# KiCad board accelerator.kicad_pcb (continued)
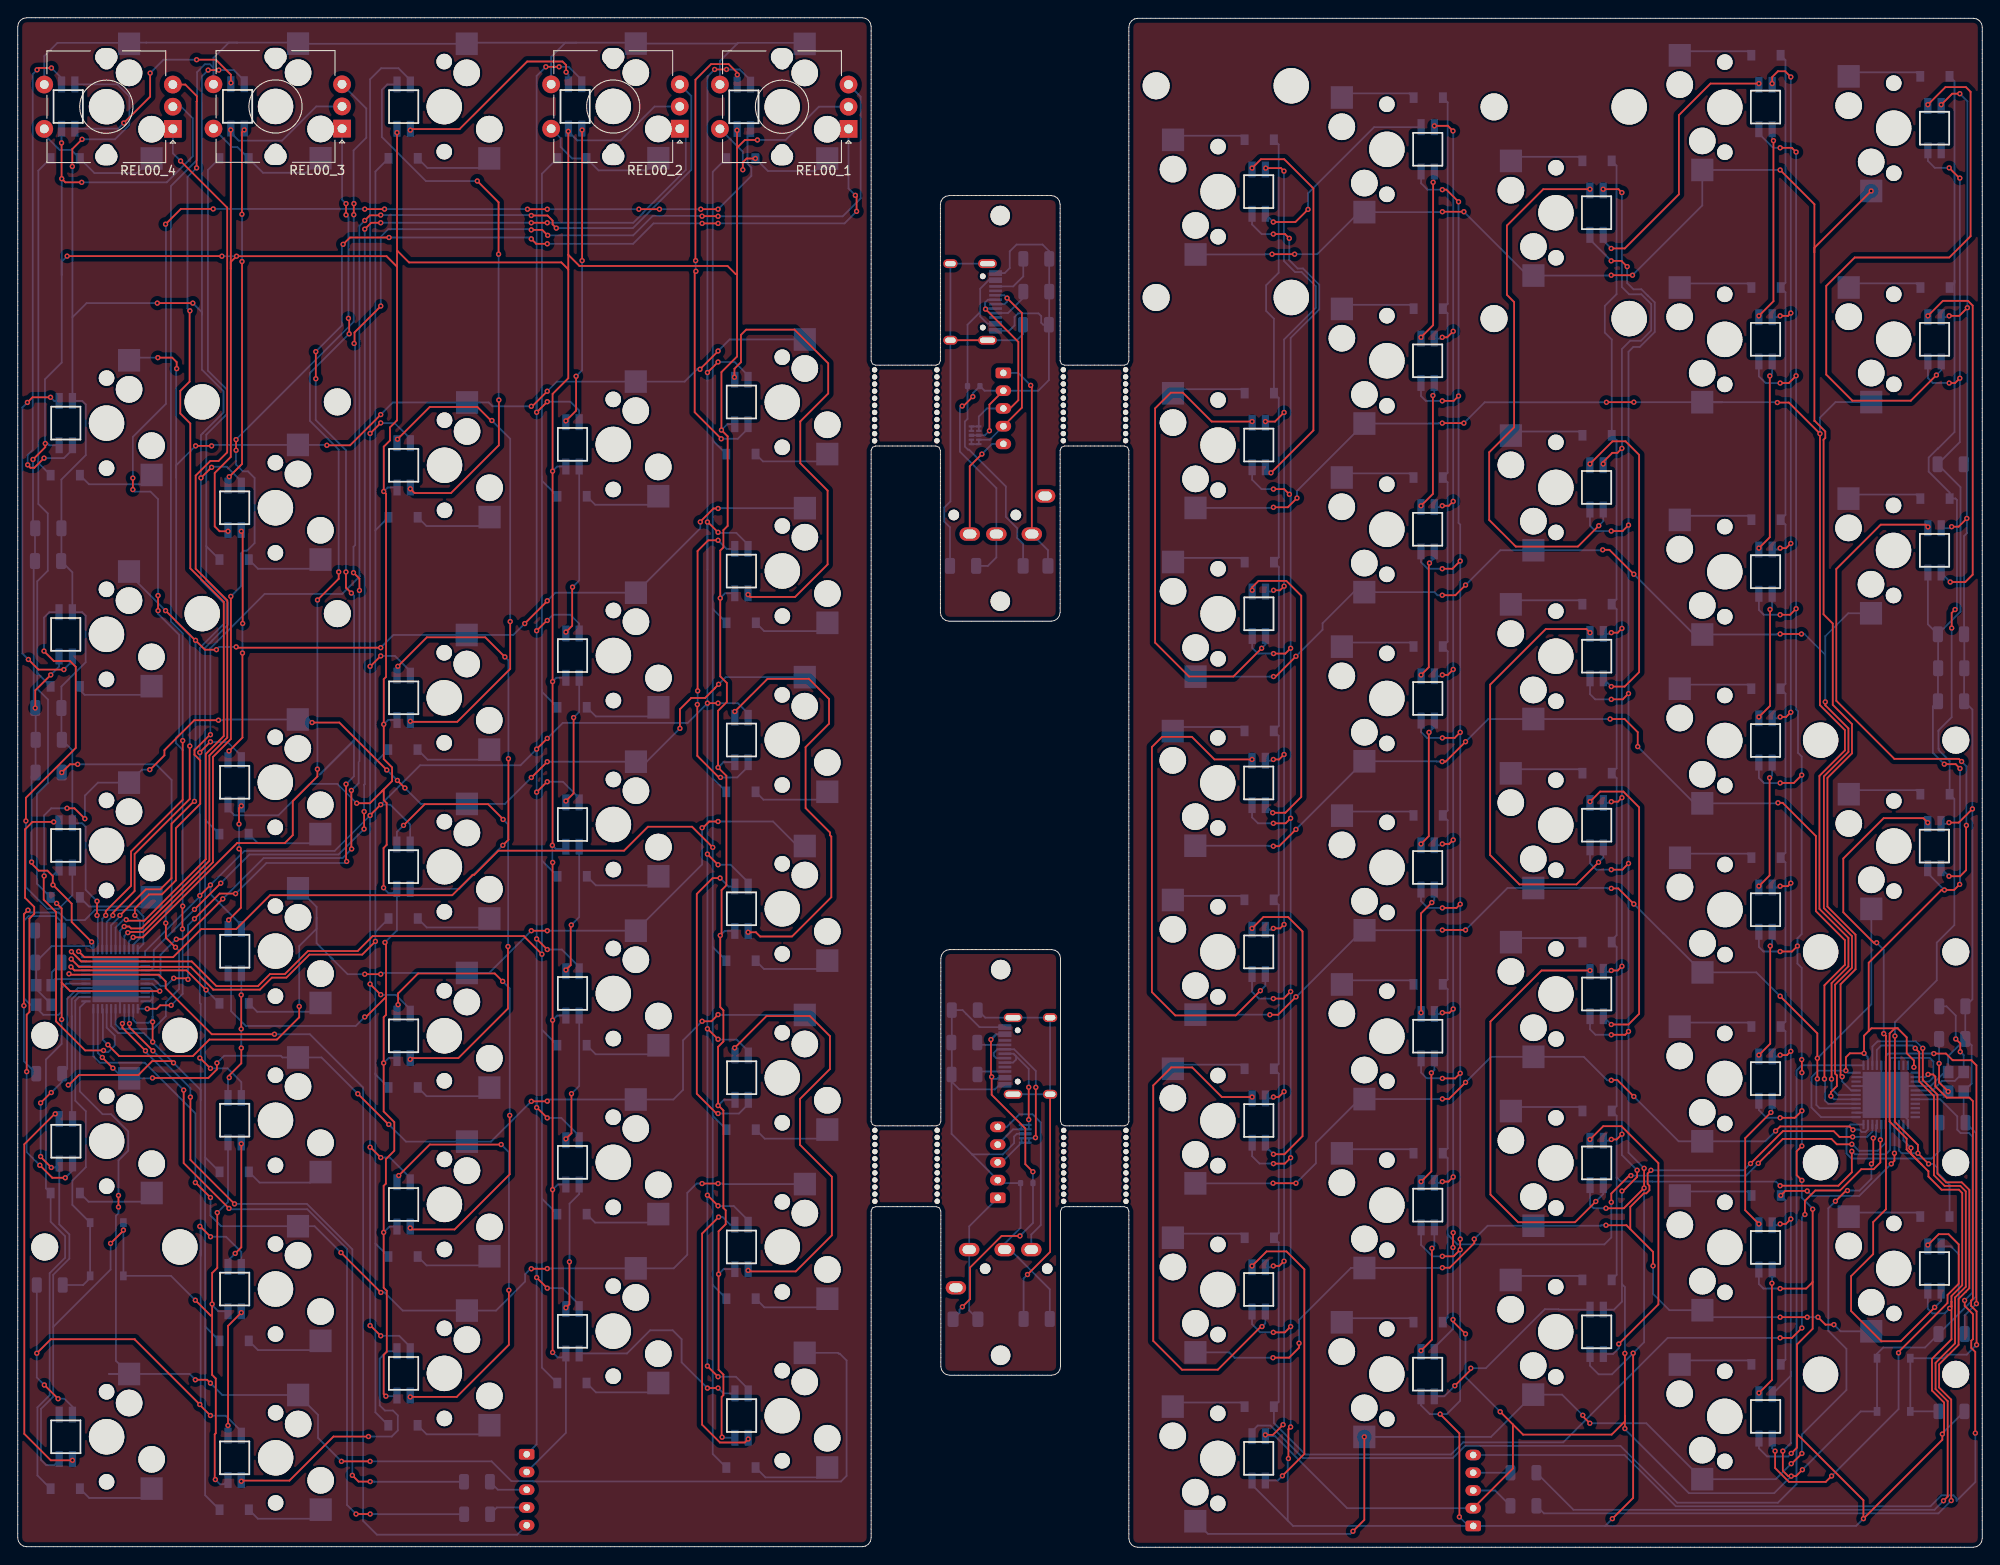
[diagram p0: board, top side]
## Routing (per net, layer and track width the routed paths; a pad name or vN(x,y) marks a point on that pad's centre or on a via; arc(x,y) is an arc through that point) (continued)
rcol07: length 171.6
  Top w0.2: v1(179.14,129.13) 179.15,129.14 v1(182.23,129.14) ; v1(198.41,129.1) 199.71,129.1 v1(203.22,125.59) 203.22,94.97 206.03,92.16 206.03,89.87 203.16,87 203.16,72 206.43,68.73 206.43,65.52 204.53,63.61 v1(204.53,52.8) ; v1(141.59,117.29) 143.21,117.29 v1(144.25,118.33) ; v1(163.07,126.78) v1(160.63,126.78)
  Bottom w0.2: v1(198.41,129.1) 198.37,129.14 SWR00_31.1 192.21,129.14 182.23,129.14 v1(182.23,129.14) ; SWR00_7.1 141.52,117.21 v1(141.59,117.29) ; v1(179.14,129.13) 165.42,129.13 v1(163.07,126.78) ; SWR00_39.1 204.97,129.15 203.22,127.4 v1(203.22,125.59) ; v1(204.53,52.8) 204.53,51.72 205.23,51.02 UR1.39 ; v1(160.63,126.78) 160.21,126.78 160.16,126.73 SWR00_15.1 144.25,119.13 v1(144.25,118.33)
rcol08: length 199.3
  Top w0.2: v1(182.08,143.46) v1(179.68,143.46) ; 202.59,146.06 202.59,151.47 v1(198.73,155.33) ; 202.59,146.06 202.59,127.03 202.63,127.03 203.82,125.83 203.82,125.11 203.62,124.91 203.62,105.22 204.66,104.18 204.66,95.01 206.83,92.84 206.83,89.53 204.06,86.76 204.06,72.25 207.23,69.08 207.23,65.19 205.54,63.5 205.54,53.25 v1(205.73,53.07) ; 202.59,146.06 202.59,146.55 v1(209,152.95) ; v1(163.07,150.62) v1(160.64,150.62) ; v1(143.98,145.83) v1(141.44,145.83)
  Bottom w0.2: v1(198.73,155.33) 198.73,155.33 SWR00_32.1 189.95,151.33 v1(182.08,143.46) ; SWR00_8.1 140.65,145.8 140.68,145.83 v1(141.44,145.83) ; v1(143.98,145.83) 146.53,145.83 151.28,150.57 SWR00_16.1 160.6,150.57 v1(160.64,150.62) ; UR1.40 206.74,51.52 205.73,52.53 v1(205.73,53.07) ; v1(163.07,150.62) 170.27,143.42 SWR00_24.1 179.64,143.42 v1(179.68,143.46)
RE1A: length 186.2
  Top w0.2: v1(33.61,131.78) v1(33.61,134.84) ; v1(17.59,64.17) 19.07,64.17 v1(19.2,64.04) ; v1(37.62,107.61) 37.01,108.22 v1(37.01,109.99) ; v1(57.91,147.55) 58.46,147 v1(59.71,147) ; v1(94.45,152.46) 94.59,152.32 v1(94.59,150.66) ; v1(24.56,73.71) 24.56,73.72 22.77,73.72 v1(19.93,70.88) ; v1(41.87,147.71) 37.46,147.71 v1(36.69,146.94) ; v1(37.02,86.06) 37.02,86.05 37.02,77.42 v1(37.09,77.35) ; v1(77.17,149.3) v1(78.97,149.3)
  Bottom w0.2: v1(57.91,147.55) 57.75,147.71 v1(41.87,147.71) ; v1(94.59,150.66) 93.23,149.3 v1(78.97,149.3) ; v1(77.17,149.3) 71.69,149.3 69.39,147 v1(59.71,147) ; v1(33.61,131.78) 33.6,131.77 33.6,127.13 37.01,123.72 v1(37.01,109.99) ; UL1.39 15.34,64.07 16.1,63.31 16.73,63.31 v1(17.59,64.17) ; v1(36.69,146.94) 36.55,146.8 36.55,137.79 33.61,134.85 v1(33.61,134.84) ; v1(37.62,107.61) 37.93,107.3 37.93,91.01 34.07,87.15 37.92,91 37.91,90.99 37.91,86.95 v1(37.02,86.06) ; REL00_1.A 93.68,153.23 v1(94.45,152.46) ; v1(37.09,77.35) 36.92,77.17 28.04,77.17 24.59,73.71 v1(24.56,73.71) ; v1(19.93,70.88) 19.2,70.15 v1(19.2,64.04)
RE1B: length 171.9
  Top w0.2: v1(40.93,139.98) 40.93,139.95 37.97,137 37.97,135.8 v1(37.93,135.76) ; v1(37.86,109.91) 38.53,109.24 v1(38.53,107.91) ; v1(77.17,150.11) 78.96,150.11 v1(78.97,150.1) ; v1(23.12,73.12) 18.57,68.57 v1(17.88,68.57) ; v1(59.76,147.95) 59.14,148.57 v1(57.91,148.57) ; v1(37.65,78.76) 37.62,78.79 37.62,85.35 v1(37.62,85.35)
  Bottom w0.2: v1(59.76,147.95) 69.4,147.95 71.6,150.15 77.13,150.15 v1(77.17,150.11) ; v1(57.91,148.57) 57.83,148.65 41.79,148.65 40.93,147.79 v1(40.93,139.98) ; REL00_1.B 95.05,163.59 95.05,152.12 93.03,150.1 v1(78.97,150.1) ; 38.44,88.55 38.44,86.17 v1(37.62,85.35) ; v1(37.65,78.76) 36.63,77.73 27.73,77.73 v1(23.12,73.12) ; UL1.38 15.74,64.57 16.1,64.21 16.1,66.83 17.85,68.58 17.87,68.58 v1(17.88,68.57) ; v1(37.93,135.76) 38.05,135.64 38.05,113.02 37.86,112.83 v1(37.86,109.91) ; 38.53,88.64 v1(38.53,107.91)
RE2A: length 144.4
  Top w0.2: v1(40.93,149.37) 39.85,149.37 v1(39.13,148.65) ; v1(39.06,82.97) 39.05,82.96 v1(39.05,81) ; v1(19.93,71.93) 22.89,74.89 v1(22.89,74.89) ; v1(57.91,149.37) v1(59.71,149.37)
  Bottom w0.2: v1(39.06,82.97) 39.06,85.99 39.06,85.99 39.13,86.06 v1(39.13,148.65) ; v1(22.89,74.89) 26.13,78.13 36.18,78.13 v1(39.05,81) ; v1(59.71,149.37) 69.41,149.37 70.54,150.5 70.54,150.54 75.33,155.33 75.33,159.3 REL00_2.A ; v1(57.91,149.37) 40.73,149.37 v1(40.93,149.37) ; UL1.37 15.01,65.07 15.34,65.4 15.34,67.34 v1(19.93,71.93)
RE2B: length 150.9
  Top w0.2: v1(13.21,71.26) 13.21,72.04 14.8,73.63 16.26,73.63 17.83,75.2 17.83,81.09 20.58,83.84 20.58,88.73 19.93,89.38 19.93,89.89 21.68,91.64 v1(21.73,91.64) ; v1(40.93,150.24) 40.9,150.21 39.71,150.21 v1(39.13,149.63) ; v1(57.91,150.19) 59.74,150.19 60.31,149.62 60.31,149.19 v1(60.73,148.77)
  Bottom w0.2: REL00_2.B 75.95,163.68 75.95,155.34 69.38,148.77 v1(60.73,148.77) ; v1(39.13,149.63) 38.53,149.03 38.53,109.58 38.59,109.52 36.58,107.51 27.84,107.51 21.72,101.39 21.72,91.65 v1(21.73,91.64) ; UL1.32 13.03,67.96 13.77,68.7 13.77,70.7 v1(13.21,71.26) ; v1(40.93,150.24) 57.86,150.24 v1(57.91,150.19)
RE3A: length 109.7
  Top w0.2: v1(13.02,68.79) 14.11,68.79 24.74,79.42 30.13,79.42 30.13,79.43 31.01,80.31 31.01,84.15 33.79,86.93 v1(33.79,87.75) ; v1(37.37,136.84) 37.37,138.5 v1(37.29,138.59) ; v1(37.02,150.26) v1(37.02,151.53) ; v1(33.8,106.83) 36.19,109.22 v1(36.19,109.99)
  Bottom w0.2: REL00_3.A 36.57,151.98 v1(37.02,151.53) ; v1(36.19,109.99) 36.19,123.79 32.95,127.03 32.95,132.43 37.37,136.84 v1(37.37,136.84) ; v1(33.79,87.75) 33.79,106.82 v1(33.8,106.83) ; v1(37.02,150.26) 37.29,149.99 v1(37.29,138.59) ; UL1.31 12.53,68.31 v1(13.02,68.79)
RE3B: length 113.4
  Top w0.2: v1(37.91,151.53) 37.89,151.51 v1(37.89,150.28) ; v1(12.41,69.32) 12.49,69.39 14.15,69.39 22.01,77.25 22.01,89.13 24.03,91.15 24.03,107.23 v1(24.03,107.24) ; v1(24.62,123.71) v1(24.62,124.91)
  Bottom w0.2: v1(37.89,150.28) 37.89,138.21 24.62,124.94 v1(24.62,124.91) ; v1(12.41,69.32) 12.03,68.93 UL1.30 ; v1(37.91,151.53) 37.87,151.57 37.87,157.53 39.3,158.96 39.3,162.26 REL00_3.B ; v1(24.62,123.71) 24.62,123.77 24.61,123.78 24.61,122.11 25.38,121.34 25.96,121.34 26.71,120.59 26.71,113.25 25.85,112.39 25.49,112.39 25.19,112.09 25.19,108.4 v1(24.03,107.24)
RE4A: length 105.1
  Top w0.2: v1(18.36,156.34) 23.62,151.08 23.62,123.48 22.65,122.51 21.72,122.51 20.06,120.85 20.06,110.35 23.63,106.78 23.63,91.31 21.61,89.29 21.61,77.42 14.77,70.58 14.76,70.58 13.97,69.79 12.79,69.79 12.57,70.01 v1(12.01,70.01)
  Bottom w0.2: UL1.29 11.53,69.53 v1(12.01,70.01) ; REL00_4.A 17.49,157.21 v1(18.36,156.34)
RE4B: length 109.1
  Top w0.2: v1(19.41,139.44) 19.38,139.41 19.38,131.46 18.33,130.41 18.33,127.86 19.46,126.73 19.46,110.39 23.23,106.62 23.23,91.48 21.21,89.46 21.21,77.6 14.27,70.66 12.35,70.66 v1(12.23,70.77) ; v1(20.17,155.56) 20.17,163.05 20.2,163.08 20.2,163.65 18.89,164.96 REL00_4.B
  Bottom w0.2: UL1.28 11.03,69.88 11.93,70.77 v1(12.23,70.77) ; v1(19.41,139.44) 19.14,139.71 19.14,154.53 v1(20.17,155.56)
RESETL: length 38
  Bottom w0.2: RL5.2 7.36,29.58 7.37,29.57 8.16,30.36 RESETL_SW1.B RESETL_SW1.A 6.16,38.61 6.16,41.35 7.68,42.87 7.68,49.17 6.49,50.36 6.49,61.64 6.92,62.07 UL1.13
RESETR: length 53.6
  Top w0.2: v1(215.41,53.33) 215.98,53.33 216.23,53.08 216.23,51.99 217.52,50.71 220.07,50.71 220.46,50.31 220.46,28.02 220.26,27.82 220.26,27.22 220.88,26.61 v1(220.88,22.84)
  Bottom w0.2: UR1.13 215.1,53.02 v1(215.41,53.33) ; RR5.2 213.41,15.33 RESETR_SW1.A RESETR_SW1.B 217.19,21.32 217.6,21.73 219.77,21.73 v1(220.88,22.84)
RLED: length 122.3
  Bottom w0.2: RLED1.4 139.18,13.09 139.82,13.73 141.26,13.73 144.92,10.07 161.83,10.07 163.2,11.44 180.72,11.44 187.13,5.03 198.48,5.03 200.58,7.13 200.58,53.78 201.16,54.35 UR1.1
rrow01: length 244.8
  Top w0.2: v1(198.73,23.62) 200.06,23.62 201.25,24.81 v1(201.18,24.74) ; v1(210.03,45.95) 210.03,43.4 209.27,42.64 207.88,42.64 205.48,40.24 202.69,40.24 201.52,39.07 v1(201.52,37.53)
  Bottom w0.2: v1(201.18,24.74) 201.18,37.19 v1(201.52,37.53) ; v1(210.03,45.95) 210.13,46.05 UR1.29 ; v1(198.73,23.62) 186.05,23.62 174.27,11.84 162.99,11.84 161.62,10.47 145.19,10.47 141.64,14.02 DR00_1.1 142.18,16.4 142.18,34.38 DR00_2.1 142.19,35.45 142.19,53.42 DR00_3.1 142.18,54.51 142.18,72.46 DR00_4.1 142.18,73.58 142.18,91.52 DR00_5.1 142.2,92.64 142.2,110.55 DR00_6.1 142.19,111.64 142.19,129.62 DR00_7.1 141.65,138.55 140.77,139.43 140.77,142.33 142.18,143.74 142.18,158.2 DR00_8.1
rrow02: length 201.9
  Top w0.2: v1(196.26,43.3) 197.46,44.5 197.47,44.5 199.03,46.06 204.51,46.06 205.12,45.45 206.8,45.45 v1(206.81,45.46) ; v1(179.69,38.92) 179.69,39.9 181.71,41.92 v1(181.9,41.92)
  Bottom w0.2: 161.24,35.26 161.24,25.94 DR00_9.1 ; 161.24,35.26 162.34,34.16 178.91,34.16 179.69,34.94 v1(179.69,38.92) ; 161.24,35.26 161.24,43.89 DR00_10.1 161.24,44.99 161.24,62.94 DR00_11.1 161.24,64.04 161.24,81.99 DR00_12.1 161.24,83.09 161.24,101.04 DR00_13.1 161.23,102.13 161.23,120.1 DR00_14.1 161.23,121.18 161.23,139.16 DR00_15.1 161.24,140.23 161.24,162.95 DR00_16.1 ; v1(181.9,41.92) 194.88,41.92 v1(196.26,43.3) ; UR1.28 210.63,45.62 209.73,44.72 207.6,44.72 206.86,45.46 v1(206.81,45.46)
rrow03: length 167
  Top w0.2: v1(198.73,40.78) 205.3,40.78 206.81,42.29 v1(206.81,44.66)
  Bottom w0.2: DR00_24.1 180.28,155.81 180.28,141.32 178.96,140 178.96,136.99 179.74,136.21 DR00_22.1 180.28,124.87 180.28,106.91 DR00_21.1 180.29,105.8 180.29,87.85 DR00_20.1 180.29,86.75 180.29,69.03 179.74,68.48 DR00_19.1 180.29,67.7 180.29,49.76 DR00_18.1 180.29,48.66 180.29,41.73 ; 180.29,41.73 180.29,30.72 DR00_17.1 ; 180.29,41.73 180.76,41.26 184.31,41.26 184.33,41.24 198.27,41.24 v1(198.73,40.78) ; UR1.27 211.13,44.8 210.65,44.32 207.15,44.32 v1(206.81,44.66)
rrow04: length 169.8
  Top w0.2: v1(211.26,43.24) 211.62,43.59 v1(211.62,44.44) ; v1(201.78,40.18) 201.77,40.19 199.31,40.19 v1(198.8,39.68)
  Bottom w0.2: UR1.26 211.63,44.45 v1(211.62,44.44) ; DR00_25.1 199.33,21.17 199.33,39.15 v1(198.8,39.68) 199.33,40.21 199.33,58.19 DR00_27.1 199.33,59.27 199.33,77.24 DR00_28.1 199.33,78.32 199.33,96.28 DR00_29.1 199.33,97.38 199.33,115.35 DR00_30.1 199.33,116.43 199.33,141.53 DR00_31.1 199.33,142.61 199.33,167.72 DR00_32.1 ; v1(211.26,43.24) 207.65,39.63 202.33,39.63 v1(201.78,40.18)
rrow05: length 145.7
  Top w0.2: v1(211.67,57.66) 211.67,47.98 214.26,45.39 v1(214.26,44.44) 215.46,43.24 v1(215.47,43.24) ; v1(218.07,103.67) 218.07,105.37 v1(218.46,105.75)
  Bottom w0.2: v1(214.26,44.44) 212.44,44.44 212.13,44.75 UR1.25 ; v1(215.47,43.24) 216.03,43.24 216.44,42.83 216.44,42.28 217.83,40.89 DR00_34.1 ; DR00_40.1 218.39,165.33 218.39,142.82 ; 218.39,142.82 218.39,142.61 DR00_39.1 ; 218.39,142.82 218.39,125.77 216.54,123.92 216.51,123.92 215.48,122.89 215.48,121.31 217.84,118.95 DR00_38.1 218.49,118.27 218.5,118.28 218.67,118.11 218.67,105.96 v1(218.46,105.75) ; 211.67,58.15 211.67,57.62 ; 211.67,58.15 v1(211.67,57.66) ; 211.67,58.15 211.67,59.22 216.39,63.94 216.39,68.19 218.37,70.17 218.37,84.4 DR00_36.1 217.84,88.67 216.62,89.89 216.62,90.02 216.58,90.06 216.58,92.12 218.07,93.61 v1(218.07,103.67)
Net-(DL00_1-A): length 17.4
  Top w0.2: v1(83.18,156.62) 82.19,156.62 81.76,156.19 v1(81.76,155.35)
  Bottom w0.2: v1(81.76,155.35) 81.76,157.38 REL00_1.S1 ; SWL00_1.2 91.28,156.62 89.87,155.21 84.59,155.21 v1(83.18,156.62)
Net-(DL00_2-A): length 8.8
  Bottom w0.2: DL00_2.2 84.03,122.46 90.46,122.46 SWL00_2.2
Net-(DL00_3-A): length 8.8
  Bottom w0.2: SWL00_3.2 90.36,103.32 84.17,103.32 DL00_3.2
Net-(DL00_4-A): length 8.8
  Bottom w0.2: DL00_4.2 84.09,84.31 90.39,84.31 SWL00_4.2
Net-(DL00_5-A): length 8.9
  Bottom w0.2: DL00_5.2 84.14,65.22 90.35,65.22 SWL00_5.2
Net-(DL00_6-A): length 8.9
  Bottom w0.2: DL00_6.2 84.24,46.08 90.26,46.08 SWL00_6.2
Net-(DL00_7-A): length 8.9
  Bottom w0.2: SWL00_7.2 90.32,27.06 84.19,27.06 DL00_7.2
Net-(DL00_8-A): length 9
  Bottom w0.2: SWL00_8.2 90.16,7.88 84.31,7.88 DL00_8.2
Net-(DL00_9-A): length 15.2
  Bottom w0.2: REL00_2.S1 61.22,158.91 61.22,157.92 62.51,156.63 DL00_9.2 65.49,155.28 70.86,155.28 SWL00_9.2
Net-(DL00_10-A): length 8.9
  Bottom w0.2: SWL00_10.2 71.27,117.57 65.12,117.57 DL00_10.2
Net-(DL00_11-A): length 8.9
  Bottom w0.2: DL00_11.2 65.19,93.7 71.22,93.7 SWL00_11.2
Net-(DL00_12-A): length 8.9
  Bottom w0.2: SWL00_12.2 71.23,74.65 65.19,74.65 DL00_12.2
Net-(DL00_13-A): length 8.9
  Bottom w0.2: SWL00_13.2 71.23,55.6 65.17,55.6 DL00_13.2
Net-(DL00_14-A): length 8.9
  Bottom w0.2: DL00_14.2 65.1,36.62 71.28,36.62 SWL00_14.2
Net-(DL00_15-A): length 9
  Bottom w0.2: DL00_15.2 65.2,17.47 71.17,17.47 SWL00_15.2
Net-(DL00_17-A): length 9
  Bottom w0.2: DL00_17.2 46.2,155.55 52.09,155.55 SWL00_17.2
Net-(DL00_18-A): length 8.9
  Bottom w0.2: DL00_18.2 46.09,115.17 52.19,115.17 SWL00_18.2
Net-(DL00_19-A): length 9
  Bottom w0.2: SWL00_19.2 52.03,88.82 46.22,88.82 DL00_19.2
Net-(DL00_20-A): length 8.9
  Bottom w0.2: DL00_20.2 46.12,69.9 52.18,69.9 SWL00_20.2
Net-(DL00_21-A): length 8.9
  Bottom w0.2: DL00_21.2 46.1,50.87 52.21,50.87 SWL00_21.2
Net-(DL00_22-A): length 8.9
  Bottom w0.2: SWL00_22.2 52.16,31.79 46.1,31.79 DL00_22.2
Net-(DL00_23-A): length 8.9
  Bottom w0.2: DL00_23.2 46.11,12.74 52.16,12.74 SWL00_23.2
Net-(DL00_25-A): length 14.8
  Bottom w0.2: SWL00_25.2 32.51,155.01 27.66,155.01 DL00_25.2 24.77,157.9 24.16,157.9 REL00_3.S1
Net-(DL00_26-A): length 8.9
  Bottom w0.2: SWL00_26.2 33.1,110.35 27.09,110.35 DL00_26.2
Net-(DL00_28-A): length 8.9
  Bottom w0.2: DL00_28.2 27.07,79.4 33.09,79.4 SWL00_28.2
Net-(DL00_29-A): length 8.9
  Bottom w0.2: SWL00_29.2 33.14,60.39 27,60.39 DL00_29.2
Net-(DL00_30-A): length 9.1
  Bottom w0.2: SWL00_30.2 32.96,41.13 27.27,41.13 DL00_30.2
Net-(DL00_31-A): length 9
  Bottom w0.2: SWL00_31.2 33.1,22.24 27.09,22.24 DL00_31.2
Net-(DL00_32-A): length 8.9
  Bottom w0.2: SWL00_32.2 33.13,3.22 27.08,3.22 DL00_32.2
Net-(DL00_33-A): length 15.2
  Bottom w0.2: SWL00_33.2 13.45,154.98 8.65,154.98 DL00_33.2 6.05,157.58 4.72,157.58 4.48,157.82 4.48,157.83 2.99,159.32 REL00_4.S1
Net-(DL00_34-A): length 8.9
  Bottom w0.2: SWL00_34.2 14.04,119.88 8.04,119.88 DL00_34.2
Net-(DL00_35-A): length 9.1
  Bottom w0.2: DL00_35.2 7.01,96.67 7.55,96.13 14.11,96.13 15.09,97.1 SWL00_35.2
Net-(DL00_36-A): length 8.9
  Bottom w0.2: DL00_36.2 8.04,72.26 14.04,72.26 SWL00_36.2
Net-(DL00_38-A): length 8.9
  Bottom w0.2: DL00_38.2 7.99,38.97 14.12,38.97 SWL00_38.2
Net-(DL00_40-A): length 9
  Bottom w0.2: SWL00_40.2 14.04,5.56 8.06,5.56 DL00_40.2
Net-(DR00_1-A): length 8.5
  Bottom w0.2: DR00_1.2 137.87,16.33 130.7,16.33 SWR00_1.2
Net-(DR00_2-A): length 8.5
  Bottom w0.2: SWR00_2.2 130.72,35.37 137.89,35.37 DR00_2.2
Net-(DR00_3-A): length 8.5
  Bottom w0.2: SWR00_3.2 130.71,54.43 137.88,54.43 DR00_3.2
Net-(DR00_4-A): length 8.4
  Bottom w0.2: SWR00_4.2 130.71,73.46 137.88,73.46 DR00_4.2
Net-(DR00_5-A): length 8.5
  Bottom w0.2: DR00_5.2 137.89,92.51 130.7,92.51 SWR00_5.2
Net-(DR00_6-A): length 8.5
  Bottom w0.2: SWR00_6.2 130.73,111.58 137.87,111.58 DR00_6.2
Net-(DR00_7-A): length 8.5
  Bottom w0.2: DR00_7.2 137.91,130.6 130.73,130.6 SWR00_7.2
Net-(DR00_8-A): length 8.4
  Bottom w0.2: SWR00_8.2 130.73,159.19 137.89,159.19 DR00_8.2
Net-(DR00_9-A): length 8.5
  Bottom w0.2: DR00_9.2 156.94,25.84 149.76,25.84 SWR00_9.2
Net-(DR00_10-A): length 8.5
  Bottom w0.2: SWR00_10.2 149.77,44.89 156.94,44.89 DR00_10.2
Net-(DR00_11-A): length 8.5
  Bottom w0.2: DR00_11.2 156.94,63.94 149.77,63.94 SWR00_11.2
Net-(DR00_12-A): length 8.4
  Bottom w0.2: SWR00_12.2 149.79,82.97 156.96,82.97 DR00_12.2
Net-(DR00_13-A): length 8.5
  Bottom w0.2: SWR00_13.2 149.77,102.03 156.95,102.03 DR00_13.2
Net-(DR00_14-A): length 8.5
  Bottom w0.2: SWR00_14.2 149.76,121.11 156.92,121.11 DR00_14.2
Net-(DR00_15-A): length 8.5
  Bottom w0.2: DR00_15.2 156.97,140.12 149.77,140.12 SWR00_15.2
Net-(DR00_16-A): length 8.5
  Bottom w0.2: DR00_16.2 156.93,163.96 149.77,163.96 SWR00_16.2
Net-(DR00_17-A): length 8.5
  Bottom w0.2: DR00_17.2 175.99,30.6 168.81,30.6 SWR00_17.2
Net-(DR00_18-A): length 8.5
  Bottom w0.2: DR00_18.2 176,49.65 168.83,49.65 SWR00_18.2
Net-(DR00_19-A): length 8.4
  Bottom w0.2: DR00_19.2 175.99,68.7 168.84,68.7 SWR00_19.2
Net-(DR00_20-A): length 8.5
  Bottom w0.2: DR00_20.2 176,87.74 168.82,87.74 SWR00_20.2
Net-(DR00_21-A): length 8.4
  Bottom w0.2: SWR00_21.2 168.82,106.8 175.99,106.8 DR00_21.2
Net-(DR00_22-A): length 8.4
  Bottom w0.2: SWR00_22.2 168.83,125.83 176.02,125.83 DR00_22.2
Net-(DR00_24-A): length 8.4
  Bottom w0.2: SWR00_24.2 168.83,156.81 175.98,156.81 DR00_24.2
Net-(DR00_25-A): length 8.5
  Bottom w0.2: SWR00_25.2 187.87,21.07 195.05,21.07 DR00_25.2
Net-(DR00_26-A): length 8.5
  Bottom w0.2: SWR00_26.2 187.88,40.13 195.05,40.13 DR00_26.2
Net-(DR00_27-A): length 8.5
  Bottom w0.2: DR00_27.2 195.05,59.17 187.87,59.17 SWR00_27.2
Net-(DR00_28-A): length 8.4
  Bottom w0.2: SWR00_28.2 187.9,78.22 195.05,78.22 DR00_28.2
Net-(DR00_29-A): length 8.5
  Bottom w0.2: DR00_29.2 195.02,97.29 187.87,97.29 SWR00_29.2
Net-(DR00_30-A): length 8.5
  Bottom w0.2: SWR00_30.2 187.87,116.33 195.05,116.33 DR00_30.2
Net-(DR00_31-A): length 8.5
  Bottom w0.2: SWR00_31.2 187.86,142.53 195.03,142.53 DR00_31.2
Net-(DR00_32-A): length 8.4
  Bottom w0.2: DR00_32.2 195.03,168.72 187.87,168.72 SWR00_32.2
Net-(DR00_34-A): length 8.4
  Bottom w0.2: SWR00_34.2 206.92,37.75 214.08,37.75 DR00_34.2
Net-(DR00_36-A): length 8.5
  Bottom w0.2: DR00_36.2 214.08,85.39 206.93,85.39 SWR00_36.2
Net-(DR00_38-A): length 8.5
  Bottom w0.2: SWR00_38.2 206.9,118.72 214.09,118.72 DR00_38.2
Net-(DR00_39-A): length 8.5
  Bottom w0.2: SWR00_39.2 206.92,142.54 214.08,142.54 DR00_39.2
Net-(DR00_40-A): length 8.5
  Bottom w0.2: DR00_40.2 214.08,166.34 206.92,166.34 SWR00_40.2
Net-(LLED1-DOUT): length 53
  Top w0.2: v1(81.14,166.06) 81.14,166.29 80.17,167.26 78.18,167.26 76.42,165.5 76.42,145.12 v1(76.44,145.1) ; v1(79.33,125.01) 76.33,128.01 76.33,143.76 v1(76.47,143.9)
  Bottom w0.2: v1(76.44,145.1) 76.44,143.93 v1(76.47,143.9) ; LLED2.4 82.35,126.17 81.19,125.01 v1(79.33,125.01) ; 81.13,164.95 81.13,166.05 v1(81.14,166.06)
Net-(LLED2-DOUT): length 52.9
  Top w0.2: v1(80.82,131.95) 80.82,132.91 81.55,133.64 81.55,136.73 82.14,137.32 87.59,137.32 91.39,133.52 91.39,130.12 88.24,126.97 88.24,122.25 91.32,119.17 91.32,110.84 87.65,107.17 82.62,107.17 v1(82.35,107.44)
  Bottom w0.2: v1(80.82,131.95) 80.85,131.92 LLED2.2
Net-(LLED3-DOUT): length 36
  Top w0.2: v1(78.97,113.56) 77.86,113.56 76.66,112.36 76.66,96.69 76.67,96.68 v1(76.67,96.58) ; v1(76.63,95.04) 76.63,89.25 79.06,86.82 v1(79.24,86.82)
  Bottom w0.2: v1(76.63,95.04) 76.67,95.08 v1(76.67,96.58) ; LLED3.2 79.94,112.59 v1(78.97,113.56) ; LLED4.4 82.36,88.05 81.13,86.82 v1(79.24,86.82)
Net-(LLED4-DOUT): length 49.9
  Top w0.2: v1(80.86,94.25) 84.55,97.94 89.21,97.94 91.48,95.67 91.48,92.88 88.84,90.24 88.84,83.36 91.59,80.61 91.59,80.3 91.74,80.15 91.74,73.31 87.31,68.88 83.71,68.88 83.23,69.36 v1(82.36,69.36)
  Bottom w0.2: LLED4.2 v1(80.86,94.25)
Net-(LLED5-DOUT): length 35.6
  Top w0.2: v1(79.2,75.47) 78.36,75.47 76.57,73.68 76.57,51.15 78.8,48.91 v1(78.97,48.91)
  Bottom w0.2: v1(79.2,75.47) 80.16,74.51 LLED5.2 ; v1(78.97,48.91) 81.33,48.91 82.38,49.97 LLED6.4
Net-(LLED6-DOUT): length 50.6
  Top w0.2: v1(80.84,56.32) 84.43,59.91 89.32,59.91 91.59,57.64 91.59,53.94 88.21,50.56 88.21,45.38 91.8,41.79 91.8,35.18 87.73,31.11 82.47,31.11 v1(82.36,31.22)
  Bottom w0.2: LLED6.2 80.88,56.28 v1(80.84,56.32)
Net-(LLED7-DOUT): length 32.6
  Top w0.2: v1(79.03,37.24) 77.17,35.38 77.17,13.82 79.18,11.81 81.98,11.81 v1(82.37,12.2)
  Bottom w0.2: v1(79.03,37.24) 79.48,37.24 80.35,36.37 LLED7.2
Net-(LLED10-DIN): length 19.3
  Top w0.2: v1(61.81,103.21) 62.52,103.92 62.52,108.24 v1(62.56,108.28)
  Bottom w0.2: LLED10.4 63.31,109.03 v1(62.56,108.28)
Net-(LLED10-DOUT): length 33.7
  Top w0.2: v1(61.81,127.03) 62.96,128.18 v1(62.96,132.06) ; v1(63.64,159.84) v1(63.64,145.1)
  Bottom w0.2: LLED9.4 63.6,159.88 v1(63.64,159.84) ; v1(63.64,145.1) 63.64,132.74 v1(62.96,132.06)
Net-(LLED11-DIN): length 14.5
  Top w0.2: v1(62.68,93.57) 62.68,85.03 v1(61.81,84.16)
  Bottom w0.2: v1(62.68,93.57) 63.31,94.2 LLED11.4
Net-(LLED12-DIN): length 14.5
  Top w0.2: v1(61.81,65.11) 62.35,65.65 62.35,70.11 v1(62.42,70.18)
  Bottom w0.2: v1(62.42,70.18) 63.31,71.07 LLED12.4
Net-(LLED13-DIN): length 14.5
  Top w0.2: v1(62.44,51.15) 62.44,46.69 v1(61.81,46.06)
  Bottom w0.2: v1(62.44,51.15) 63.31,52.02 LLED13.4
Net-(LLED14-DIN): length 14.5
  Top w0.2: v1(62.21,32.19) 62.21,27.41 v1(61.81,27.01)
  Bottom w0.2: LLED14.4 63.31,39.84 62.22,38.75 62.22,32.2 v1(62.21,32.19)
Net-(LLED15-DIN): length 23.1
  Top w0.2: v1(77.77,17.95) 77.78,17.96 v1(78.97,17.96)
  Bottom w0.2: LLED15.4 68.7,21.86 71.31,24.47 73.85,24.47 74.86,23.46 74.86,20.86 v1(77.77,17.95) ; v1(78.97,17.96) 79.58,17.35 LLED8.2
Net-(LLED17-DIN): length 23.2
  Top w0.2: v1(44.27,159.82) 44.39,159.94 49.82,159.94 57.44,167.56 61.43,167.56 61.84,167.15 v1(61.84,166.36)
  Bottom w0.2: v1(61.84,166.36) 62.1,166.09 LLED9.2
Net-(LLED17-DOUT): length 63.3
  Top w0.2: v1(51.82,154.08) 54.22,151.68 v1(54.22,145.83) ; v1(54.25,129.38) 54.25,124.28 48.86,118.89 44.75,118.89 v1(44.27,119.37)
  Bottom w0.2: LLED17.2 41.67,164.97 41.06,164.36 41.06,159.04 46.02,154.08 v1(51.82,154.08) ; v1(54.22,145.83) 54.22,129.41 v1(54.25,129.38)
Net-(LLED18-DOUT): length 55.9
  Top w0.2: v1(53.47,127.07) 53.36,127.07 51.83,128.6 46.46,128.6 v1(42.82,124.96) ; v1(44.27,93.15) 44.33,93.09 49.56,93.09 55.53,99.06 v1(55.53,104.4)
  Bottom w0.2: v1(42.82,124.96) 42.77,124.91 LLED18.2 ; v1(55.53,104.4) 55.53,125.01 v1(53.47,127.07)
Net-(LLED19-DOUT): length 49.6
  Top w0.2: v1(42.86,99.35) 46.13,102.62 52.72,102.62 v1(54.93,100.41) ; v1(55.33,88.93) 55.33,79.79 v1(54.7,79.16)
  Bottom w0.2: v1(54.7,79.16) 49.8,74.26 LLED20.4 ; v1(55.33,88.93) 55.33,100.01 v1(54.93,100.41) ; v1(42.86,99.35) 42.77,99.26 LLED19.2
Net-(LLED20-DOUT): length 50.4
  Top w0.2: v1(43.5,81.41) 45.89,83.8 53.04,83.8 54.73,82.11 v1(54.73,82.08) ; v1(44.26,55.03) 44.4,55.17 49.69,55.17 55.28,60.76 v1(55.28,67.75)
  Bottom w0.2: LLED20.2 42.75,80.66 v1(43.5,81.41) ; v1(55.28,67.75) 55.3,67.77 55.3,81.51 v1(54.73,82.08)
Net-(LLED21-DOUT): length 51.4
  Top w0.2: v1(55.48,48.7) 55.48,42.05 49.26,35.84 44.43,35.84 v1(44.26,36.01) ; v1(54.68,63.82) 53.79,64.71 45.14,64.71 42.89,62.46 v1(42.89,61.19)
  Bottom w0.2: v1(42.89,61.19) 42.76,61.06 LLED21.2 ; v1(54.68,63.82) 55.48,63.02 v1(55.48,48.7)
Net-(LLED22-DOUT): length 50.3
  Top w0.2: v1(42.96,41.92) 46.46,45.42 v1(54.51,45.42) ; v1(44.26,16.96) 49.5,16.96 55.38,22.84 v1(55.38,28.99)
  Bottom w0.2: LLED22.2 42.76,41.72 v1(42.96,41.92) ; v1(55.38,28.99) 55.39,29 55.39,44.54 v1(54.51,45.42)
Net-(LLED23-DOUT): length 31.8
  Top w0.2: v1(25.21,7.44) 25.29,7.52 30.64,7.52 35.61,12.49 v1(39.55,12.49)
  Bottom w0.2: v1(39.55,12.49) 42.17,12.49 42.86,13.18 42.86,14.87 42.31,15.42 41.4,15.42 40.82,16 40.82,21.27 41.66,22.11 LLED23.2
Net-(LLED25-DIN): length 40.9
  Top w0.2: v1(25.28,150.33) 25.28,159.59 v1(25.54,159.85) ; v1(23.85,120.73) 25.29,122.17 v1(25.29,145)
  Bottom w0.2: v1(25.29,145) 25.29,150.32 v1(25.28,150.33) ; v1(23.85,120.73) 23.71,120.59 LLED26.2
Net-(LLED25-DOUT): length 24
  Top w0.2: v1(24.04,165.15) 24.04,166.07 22.35,167.76 v1(20.17,167.76) ; v1(11.96,160.62) 14.93,163.6 v1(14.93,166.25)
  Bottom w0.2: v1(11.96,160.62) 11.31,159.98 LLED33.4 ; v1(20.17,167.76) 16.44,167.76 v1(14.93,166.25)
Net-(LLED26-DIN): length 26.6
  Top w0.2: v1(23.83,89.79) 25.34,91.31 v1(25.34,100.85) ; v1(25.36,104.18) 25.36,114.43 v1(25.21,114.58)
  Bottom w0.2: v1(23.83,89.79) 23.71,89.68 LLED28.2 ; v1(25.36,104.18) 25.34,104.16 v1(25.34,100.85)
Net-(LLED28-DIN): length 14.7
  Top w0.2: v1(23.79,70.74) 25.16,72.12 25.16,78.56 v1(24.96,78.76) ; v1(25.21,83.62) 24.95,83.36 v1(24.95,81.56)
  Bottom w0.2: LLED29.2 23.72,70.68 v1(23.79,70.74) ; v1(24.96,78.76) 24.96,81.55 v1(24.95,81.56)
Net-(LLED29-DIN): length 14.7
  Top w0.2: v1(23.85,52.97) 23.85,53.22 25.21,54.58 v1(25.21,56.31) ; v1(25.2,62.29) 25.2,62.29 v1(25.2,58.46)
  Bottom w0.2: v1(25.2,62.29) 25.22,62.31 LLED29.4 ; v1(25.21,56.31) 25.2,56.32 v1(25.2,58.46) ; v1(23.85,52.97) 23.71,52.83 LLED30.2
Net-(LLED30-DIN): length 14.5
  Top w0.2: v1(25.21,45.51) 25.21,33.83 v1(24.52,33.14)
  Bottom w0.2: LLED31.2 23.71,32.33 v1(24.52,33.14)
Net-(LLED31-DIN): length 14.5
  Top w0.2: v1(25.21,26.47) 23.71,24.97 v1(23.71,13.73)
  Bottom w0.2: LLED32.2 v1(23.71,13.73)
Net-(LLED33-DOUT): length 55.6
  Top w0.2: v1(2.18,166.62) 2.39,166.83 v1(3.8,166.83) ; v1(2.97,122.83) 2.96,122.83 1.87,121.74 1.43,121.74 1.12,122.05 v1(1.12,122.07)
  Bottom w0.2: v1(3.8,166.83) 4.94,165.69 LLED33.2 ; v1(1.12,122.07) 1.12,123.17 1.69,123.74 1.69,166.13 v1(2.18,166.62) ; LLED34.4 6.17,123.79 5.21,122.83 v1(2.97,122.83)
Net-(LLED34-DOUT): length 39.8
  Top w0.2: v1(3.7,129.69) 1.67,129.69 v1(1.09,129.11) ; v1(5.2,98.98) 2.34,98.98 v1(1.2,100.12)
  Bottom w0.2: v1(3.7,129.69) 4.11,129.28 LLED34.2 ; v1(5.2,98.98) 6.16,99.94 LLED35.4 ; v1(1.2,100.12) 0.52,100.8 0.52,128.54 v1(1.09,129.11)
Net-(LLED35-DOUT): length 47.2
  Top w0.2: v1(0.92,81.91) 0.92,84.52 6.54,90.14 6.54,99.3 5.89,99.95 4.06,99.95 2.96,101.05 v1(2.96,101.07)
  Bottom w0.2: v1(2.96,101.07) 2.96,104.85 3.56,105.45 LLED35.2 ; LLED36.4 6.16,73.54 4.63,72.01 3.33,72.01 0.92,74.43 v1(0.92,81.91)
